# Altium PCB HTBLEBMSALL24S100A_PCB_V0.2_260323.pcbdoc (part 2 of 7)
Units mm, origin at the board's own origin, x right, y up, seen from the top; angles counter-clockwise.
Board outline 212.1 x 87.6 mm, 2 copper layers (Top Layer, Bottom Layer), stack 1.56 mm thick; 927 components, 443 nets, 2867 pads, 2632 vias.
Unrouted connection lines stored in the file: 1161.
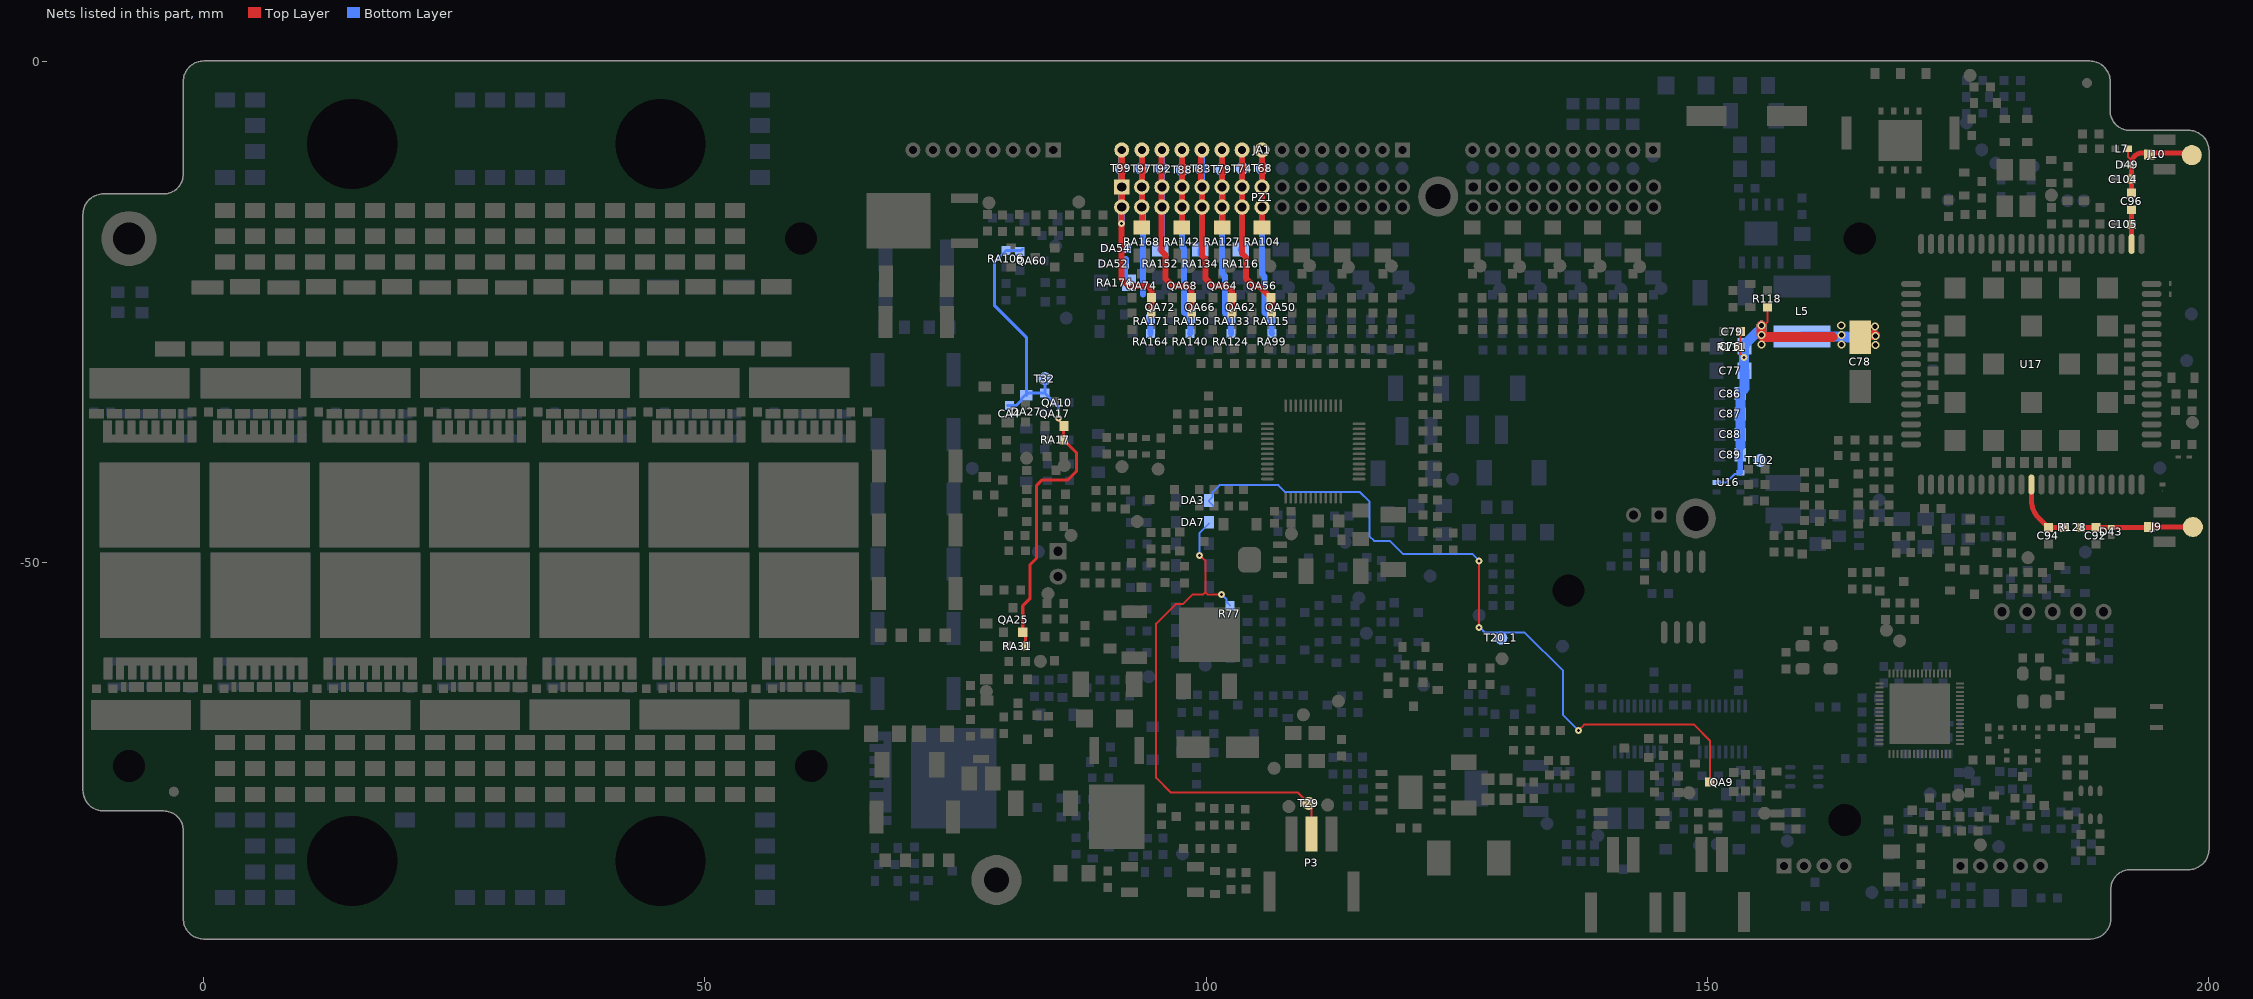
[diagram p2: the nets of this part, all layers, seen from the top]

## Components (designator, comment, footprint, x,y, rotation, side; value= is the part's Value field where it differs from the comment) (continued)
T103 "Test" PT_STM 184.326,-13.336 r90 bottom
T104 "Test" PT_STM 198.4,-36.01 r90 bottom
T105 "Test" PT_STM 198.29,-25.19 r90 top
T106 "Test" PT_STM 178.79,-10.14 r90 top
T107 "Test" PT_STM 182.5,-10.47 r90 top
T108 "Test" PT_STM 177.374,-8.815 r90 top
T109 "Test" PT_STM 175.873,-6.116 r90 top
T110 "Test" PT_STM 174.04,-13.823 r90 top
T111 "Test" PT_STM 176.21,-1.382 r90 bottom
T112 "Test" PT_STM 156.88,-46.56 r90 top
T113 "Test" PT_STM 197.82,-29.84 r90 top
T114 "Test" PT_STM 167.14,-43.75 r90 top
T115 "Test" PT_STM 187.71,-48.94 r90 top
T116 "Test" PT_STM 181.986,-49.499 r90 bottom
T117 "Test" PT_STM 187.569,-13.891 r90 top
T118 "Test" PT_STM 185.938,-13.891 r90 top
TVS1 "ESD9L5" SOD-923 197.53,-39.46 r0 top value=ESD9M5.0ST5G
TVS2 "ESD9L5" SOD-923 196.18,-22.69 r90 top value=ESD9M5.0ST5G
TVS3 "ESD56301D05" DFN1610-2L 165.109,-47.808 r270 bottom value=AZ5825-01F
TVS4 "DIO_DFN1006-2L_ESD5611N-2/TR_B_CH1" DFN1006-2(0402) 195.41,-42.514 r90 top value=AZ5825-01F
U1 "AMS1117-3.3" SOT223 133.694,-64.768 r270 bottom
U2 "SP0M18" ESOP-8 120.387,-72.904 r270 top
U3 "CA-IS2062A" LGA-16_L5.2-W4.7-P0.65-TL_CA-IS2062A-FRANK2 140.781,-68.896 r270 bottom
U4 "EL3H7" SSOP-4_L2.7-W4.6-P1.27-LS7.0-TL 142.441,-75.523 r0 top
U5 "AIP74LVC2G17GB236" SOT23-6 161.064,-70.419 r180 bottom
U6 "ZD25Q16CSIGT/W25Q16JVSSIQ" SOIC-8_L5.3-W5.3-P1.27-LS8.0-BL 147.6,-53.42 r0 top
U7 "CA-IS2092A" LGA-16_L5.2-W4.7-P0.65-TL_CA-IS2062A-FRANK2 149.229,-68.896 r270 bottom
U8 "N32WB436RFQ7" "QFN64 8x8" 171.196,-62.996 r0 top
U9 "EL3H7" SSOP-4_L2.7-W4.6-P1.27-LS7.0-TL 153.895,-75.673 r0 top
U10 "AD24C02/AT24C02M5/TR" SOT23-5 185.906,-59.812 r0 bottom
U11 "TPL5010DDCR" SOT23-6 187.276,-75.556 r90 top
U12 "DVC1124-12" LQFP48(0.5mm) 110.682,-38.904 r180 top
U13 "EL357N" EL357N 95.65,-81.626 r0 top
U14 "M2M_IC" M2M_IC 169.233,-7.882 r90 top
U15 "LYF89023" ESOP-8 155.374,-17.157 r0 bottom
U16 "SY8105IADC" TSOT-23-6 152.092,-41.993 r180 bottom
U17 "MOD_A7670C_R2_124" MOD_A7670C_R2_124 182.33,-30.199 r180 top
Y1 "8M" SMD3225_4P 160.914,-59.446 r180 top
Y2 "32M" SMD3225_4P 182.617,-62.468 r270 top
? "Comment" MARK 187.87,-2.15 r0 top
? "Comment" MARK -2.988,-72.849 r0 top
? "Comment" "HT LOGO" 77.55,-29.549 r0 top

## Footprints (in the part's own frame and the unit in brackets; to place one, negate y for a bottom-side part, rotate by r counter-clockwise, add the part's x,y. Pads: shape width x height; smd on the part's side, far side on the other; paste and mask are expansions set on the pad)
22A52V [mm]
  rect 2.4x1.55 smd: 1(0.32,1.16) 3(0.32,-1.2)
  rect 0.8x1.6 smd: 2(-1.65,0)
  silkscreen extent -2,-1.5 2,1.5
0402C [mm]
  rect 0.48x0.55 smd: 1(-0.44,-0.004) 2(0.44,-0.004)
  silkscreen extent -1.21,-0.51 1.21,0.5, body extent -0.5,-0.3 0.5,0.3, height 0.2
0402L [mil]
  rect 30x25 smd: 1(0,0) 2(50,0)
  silkscreen extent -25,-20 75,20, body extent 5,-10 45,10, height 20
0603 [mil]
  rect 35x35 smd: 1(0,0) 2(65,0)
  Top Layer pour cut-out: 15,20 50,20 50,-20 15,-20
  silkscreen extent -25,-25 90,25, body extent 0,-16 66,16, height 22
0603L-XG [mil] "小功率贴片电感"
  rect 35x35 smd: 1(0,0) 2(70,0)
  silkscreen extent -32,-32 102,32, body extent 4,-16 66,15, height 31
0805 [mil]
  rect 45x52 smd: 1(6,0) 2(86,0)
  Top Layer pour cut-out: 21,30 71,30 71,-30 21,-30
  silkscreen extent -27,-35 119,35, body extent 1,-27 91,27
1206 [mil]
  rect 55x65 smd: 1(0,0) 2(110,0)
  Top Layer pour cut-out: 25,40 85,40 85,-40 25,-40
  silkscreen extent -38,-45 148,45, body extent -11,-34 121,34, height 33
1210R [mm]
  rect 1.283x2.808 smd paste-100 mask+0.051: 1(-1.441,0) 2(1.441,0)
  silkscreen extent -2.31,-1.63 2.31,1.63, body extent -2,-1.24 2,1.25, height 1.7
2010R [mm] "1/2W 200V"
  rect 1.651x2.54 smd: 1(-2.665,0) 2(2.665,0)
  silkscreen extent -3.81,-1.65 3.81,1.65, body extent -2.5,-1.25 2.5,1.25, height 0.47
2512 [mil] "Chip Resistor; Body 250milx 120mil (LxW typ);1W"
  rect 55x125 smd: 1(0,0) 2(240,0)
  silkscreen extent -40,-75 280,75, body extent -4,-62 244,62, height 23
ANT-2 [mm]
  rect 0.5x1.3 smd: 1(0,0) 2(-2.1,0)
  Top Layer region: -2.56,-0.703 -1.634,-0.703 -1.634,4.712 -2.56,4.712 -2.56,-0.703
  Top Layer region: 9.666,4.712 9.14,4.712 9.14,1.547 9.666,1.547 9.666,4.712
  Top Layer region: 6.64,1.547 9.666,1.547 9.666,2.072 6.64,2.072 6.64,1.547
  Top Layer region: 7.166,1.547 6.64,1.547 6.64,4.712 7.166,4.712 7.166,1.547
  Top Layer region: 4.44,4.187 7.166,4.187 7.166,4.712 4.44,4.712 4.44,4.187
  Top Layer region: 4.966,4.712 4.44,4.712 4.44,1.547 4.966,1.547 4.966,4.712
  Top Layer region: 1.94,1.547 4.966,1.547 4.966,2.072 1.94,2.072 1.94,1.547
  Top Layer region: 1.94,4.712 2.466,4.712 2.466,1.547 1.94,1.547 1.94,4.712
  Top Layer region: -2.56,4.187 2.466,4.187 2.466,4.712 -2.56,4.712 -2.56,4.187
  Top Layer region: -0.26,-0.703 0.266,-0.703 0.266,4.712 -0.26,4.712 -0.26,-0.703
C0603 [mil]
  rect 35x35 smd: 1(0,0) 2(65,0)
  Top Layer pour cut-out: 15,20 50,20 50,-20 15,-20
  silkscreen extent -27,-25 92,25, body extent -7,-15 71,16, height 31
C0805 [mil]
  rect 45x52 smd: 1(0,0) 2(80,0)
  Top Layer pour cut-out: 15,30 65,30 65,-30 15,-30
  silkscreen extent -39,-35 118,35, body extent -9,-24 89,25, height 31
C1206 [mil] "Chip Capacitor"
  rect 55x65 smd: 1(0,0) 2(110,0)
  Top Layer pour cut-out: 25,40 85,40 85,-40 25,-40
  silkscreen extent -38,-43 148,43, body extent -8,-31 118,31, height 39
DFN1006-2(0402) [mm]
  round 0.082 smd: 1(-0.325,0)
  rect 0.4x0.6 smd paste+0.051: 2(0.325,0)
  Top Layer region: -0.53,0.3 -0.53,-0.3 -0.2,-0.3 -0.12,-0.2 -0.12,0.3 -0.53,0.3
  silkscreen extent -0.7,-0.45 0.7,0.45
DFN1610-2L [mm]
  rect 0.7x1 smd paste+0.051: 1(-0.6,0) 2(0.6,0)
  silkscreen extent -1.4,-0.7 1.15,0.7
EL357N [mm]
  rect 1.7x0.95 smd: 1(-3.3,1.27) 2(-3.3,-1.27) 3(3.3,-1.27) 4(3.3,1.27)
  silkscreen extent -2.2,-2.1 2.2,2.1
ESOP-8 [mm]
  rect 3.3x2.4 smd: 0(0,0)
  rect 0.6x1.2 smd: 1(-1.905,-2.908) 2(-0.635,-2.908) 3(0.635,-2.908) 4(1.905,-2.908) 5(1.905,2.908) 6(0.635,2.908) 7(-0.635,2.908) 8(-1.905,2.908)
  silkscreen extent -3.2,-2.67 2.55,2.05
F0603 [mil] "1060mil"
  rect 35x35 smd: 1(0,0) 2(65,0)
  Top Layer pour cut-out: 15,20 50,20 50,-20 15,-20
  silkscreen extent -25,-25 90,25, body extent 4,-15 66,15, height 30
F1206 [mil] "1060mil"
  rect 60x70 smd: 1(-55,0) 2(55,0)
  Top Layer pour cut-out: -30,40 30,40 30,-40 -30,-40
  silkscreen extent -95,-45 95,45, body extent -63,-33 63,33, height 22
HDR1X2 [mm] "Connector; Header; 2 Position"
  rect 1.5x1.5 hole 0.9: 1(0,0)
  round 1.5 hole 0.9: 2(2.54,0)
  silkscreen extent -1.27,-1.27 3.81,1.27
HP1005H15 [mm]
  rect 0.65x0.5 smd: 1(0,0.45) 2(0,-0.45)
  silkscreen extent -0.64,-0.92 0.64,0.93
"HT LOGO" [mm]
  silkscreen extent -3.31,-2.97 2.96,2.65
IND-SMD_L7.3-W6.8 [mm]
  rect 2.35x3.5 smd: 1(-3,0) 2(3,0)
  silkscreen extent -3.5,-3.3 3.5,3.3
IPEX-SMD_BWIPX-1-001E [mm]
  rect 1.05x1 smd: 1(-0.763,0)
  rect 2.2x1.05 smd: 2(0.762,-1.475) 3(0.762,1.475)
  silkscreen extent -0.64,-1.27 2.16,1.27
L4*4 [mm]
  rect 1.6x3.5 smd paste+0.051: 1(-1.6,0) 2(1.6,0)
  silkscreen extent -2.08,-2.1 2.08,2.1
L6*6 [mm]
  rect 2.2x5.72 smd paste+0.051: 1(-2.5,0) 2(2.5,0)
  silkscreen extent -3.18,-3.18 3.18,3.18
LED0603R [mil]
  rect 35x35 smd: 1(0,0) 2(60,0)
  Top Layer pour cut-out: 15,20 45,20 45,-20 15,-20
  silkscreen extent -25,-25 90,25, body extent -3,-18 63,18, height 35
LGA-16_L5.2-W4.7-P0.65-TL_CA-IS2062A-FRANK2 [mm]
  rect 1.3x0.364 smd: 1(-4.611,0.011) 2(-4.611,-0.65) 3(-4.611,-1.3) 4(-4.611,-1.95) 5(-4.611,-2.6) 6(-4.611,-3.25) 7(-4.611,-3.9) 8(-4.611,-4.55) 9(0,-4.55) 10(0,-3.9) 11(0,-3.25) 12(0,-2.6) 13(0,-1.95) 14(0,-1.3) 15(0,-0.65) 16(-0.005,0)
  silkscreen extent -5.22,-4.95 0.08,0.62, body extent -4.67,-4.97 0.09,0.43, height 1
LQFP48(0.5mm) [mil] "7x7x1.4, P2P=0.5mm"
  oct 50x10 smd: 1(-180,108.27)
  oval 50x10 smd: 2(-180,88.58) 3(-180,68.9) 4(-180,49.21) 5(-180,29.53) 6(-180,9.84) 7(-180,-9.84) 8(-180,-29.53) 9(-180,-49.21) 10(-180,-68.9) 11(-180,-88.58) 12(-180,-108.27) 25(180,-108.27) 26(180,-88.58) 27(180,-68.9) 28(180,-49.21) 29(180,-29.53) 30(180,-9.84) 31(180,9.84) 32(180,29.53) 33(180,49.21) 34(180,68.9) 35(180,88.58) 36(180,108.27)
  oval 10x50 smd: 13(-108.27,-180) 14(-88.58,-180) 15(-68.9,-180) 16(-49.21,-180) 17(-29.53,-180) 18(-9.84,-180) 19(9.84,-180) 20(29.53,-180) 21(49.21,-180) 22(68.9,-180) 23(88.58,-180) 24(108.27,-180) 37(108.27,180) 38(88.58,180) 39(68.9,180) 40(49.21,180) 41(29.53,180) 42(9.84,180) 43(-9.84,180) 44(-29.53,180) 45(-49.21,180) 46(-68.9,180) 47(-88.58,180) 48(-108.27,180)
  silkscreen extent -180,-180 180,180, body extent -177,-177 177,177, height 59
M2M_IC [mm]
  rect 0.7x0.5 smd: 1(-2.95,1.905) 2(-2.95,0.635) 3(-2.95,-0.635) 4(-2.95,-1.905) 5(2.95,-1.905) 6(2.95,-0.635) 7(2.95,0.635) 8(2.95,1.905)
  rect 4.1x4.35 smd: 9(0,0)
  silkscreen extent -3.45,-2.65 3.45,2.65
MARK [mm]
  round 1 smd mask+0.9: 1(0,0)
  round 1 smd far side mask+0.9: 1(0,0)
  Top Layer lines w0.3: -1.565,0 ccw(c0,0) 1.565,0 ccw(c0,0) -1.565,0
  Bottom Layer lines w0.3: -1.565,0 ccw(c0,0) 1.565,0 ccw(c0,0) -1.565,0
  silkscreen extent -1.56,-1.56 1.57,1.56
MOD_A7670C_R2_124 [mm]
  rrect100% 2x0.6 smd paste-0.05 mask+0.025: 1(-12,8) 2(-12,7) 3(-12,6) 4(-12,5) 5(-12,4) 6(-12,3) 7(-12,2) 8(-12,1) 9(-12,0) 10(-12,-1) 11(-12,-2) 12(-12,-3) 13(-12,-4) 14(-12,-5) 15(-12,-6) 16(-12,-7) 17(-12,-8) 35(12,-8) 36(12,-7) 37(12,-6) 38(12,-5) 39(12,-4) 40(12,-3) 41(12,-2) 42(12,-1) 43(12,0) 44(12,1) 45(12,2) 46(12,3) 47(12,4) 48(12,5) 49(12,6) 50(12,7) 51(12,8)
  rrect100% 0.6x2 smd paste-0.05 mask+0.025: 18(-8,-12) 19(-7,-12) 20(-6,-12) 21(-5,-12) 22(-4,-12) 23(-3,-12) 24(-2,-12) 25(-1,-12) 26(0,-12) 27(1,-12) 28(2,-12) 29(3,-12) 30(4,-12) 31(5,-12) 32(6,-12) 33(7,-12) 34(8,-12) 52(8,12) 53(7,12) 54(6,12) 55(5,12) 56(4,12) 57(3,12) 58(2,12) 59(1,12) 60(0,12) 61(-1,12) 62(-2,12) 63(-3,12) 64(-4,12) 65(-5,12) 66(-6,12) 67(-7,12) 68(-8,12) 89(-11,-12) 90(-10,-12) 91(-9,-12) 92(9,-12) 93(10,-12) 94(11,-12) 95(11,12) 96(10,12) 97(9,12) 98(-9,12) 99(-10,12) 100(-11,12)
  rect 2.1x2.1 smd mask+0.025: 69(-7.6,7.6) 70(-7.6,3.8) 71(-7.6,0) 72(-7.6,-3.8) 73(-7.6,-7.6) 74(-3.8,-7.6) 75(0,-7.6) 76(3.8,-7.6) 77(7.6,-7.6) 78(7.6,-3.8) 79(7.6,0) 80(7.6,3.8) 81(7.6,7.6) 82(3.8,7.6) 83(0,7.6) 84(-3.8,7.6) 85(-3.8,0) 86(0,-3.8) 87(3.8,0) 88(0,3.8)
  rect 1.1x0.9 smd mask+0.03: 101(-9.8,3.5) 102(-9.8,2.1) 103(-9.8,0.7) 104(-9.8,-0.7) 105(-9.8,-2.1) 106(-9.8,-3.5) 113(9.8,-3.5) 114(9.8,-2.1) 115(9.8,-0.7) 116(9.8,0.7) 117(9.8,2.1) 118(9.8,3.5)
  rect 0.9x1.1 smd mask+0.03: 107(-3.5,-9.8) 108(-2.1,-9.8) 109(-0.7,-9.8) 110(0.7,-9.8) 111(2.1,-9.8) 112(3.5,-9.8) 119(3.5,9.8) 120(2.1,9.8) 121(0.7,9.8) 122(-0.7,9.8) 123(-2.1,9.8) 124(-3.5,9.8)
  Top Layer keep-out region: -10.9,9.2 -8.85,9.2 -8.85,6.8 -10.9,6.8 -10.9,9.2
  Top Layer keep-out region: 1.475,-2.075 3.525,-2.075 3.525,-4.125 1.475,-4.125 1.475,-2.075
  silkscreen extent -14.5,-12 12,12
PCB-276M5 [mil]
  round 1 smd: 1(-0.2,0)
  round 1 on Top Paste: 1(-0.2,0)
  round 60 hole 354.33: ""(0,0)
  Top Layer region: 574.8,198.82 581.35,197.52 586.9,193.81 586.9,193.81 589.37,191.34 591.7,187.85 592.52,183.73 592.52,183.73 592.52,117.08 591.19,110.39 587.4,104.72 587.4,104.72 586.67,103.99 580.5,99.87 573.23,98.43 573.23,98.43 532.28,98.43 494.02,90.81 461.57,69.14 439.9,36.69 432.28,-1.57 432.28,-1.57 432.28,-3.54 438.94,-37.01 457.9,-65.38 457.9,-65.38 466.61,-74.09 493.13,-91.81 524.41,-98.03 524.41,-98.03 571.24,-98.03 579.99,-99.77 587.4,-104.72 587.4,-104.72 591.19,-110.39 592.52,-117.08 592.52,-117.08 592.52,-181.1 591.36,-186.92 588.07,-191.86 588.07,-191.86 584.25,-195.67 580.76,-198 576.65,-198.82 576.65,-198.82 -569.57,-198.82 -579.86,-196.77 -588.58,-190.94 -588.58,-190.94 -591.79,-186.15 -592.91,-180.49 -592.91,-180.49 -592.91,-117.47 -591.58,-110.79 -587.8,-105.12 -587.8,-105.12 -580.82,-100.46 -572.59,-98.82 -572.59,-98.82 -532.37,-98.82 -494.1,-91.21 -461.66,-69.53 -461.66,-69.53 -461.02,-68.9 -440.63,-38.37 -433.46,-2.36 -433.46,-2.36 -433.46,9.53 -439.09,37.83 -455.12,61.81 -455.12,61.81 -462.84,69.53 -495.28,91.21 -533.55,98.82 -533.55,98.82 -574.42,98.82 -580.59,100.05 -585.83,103.54 -585.83,103.54 -587.79,105.5 -591.29,110.75 -592.52,116.93 -592.52,116.93 -592.52,176.82 -590.58,186.6 -585.04,194.88 -585.04,194.88 -580.68,197.8 -575.53,198.82 -575.53,198.82
  silkscreen extent -593,-199 593,199, body extent -593,-199 593,199, height 79
PH2.0-10*2 [mil]
  rect 60x60 hole 36: 1(-354.33,39.37)
  round 60 hole 36: 2(-354.33,-39.37) 3(-275.59,39.37) 4(-275.59,-39.37) 5(-196.85,39.37) 6(-196.85,-39.37) 7(-118.11,39.37) 8(-118.11,-39.37) 9(-39.37,39.37) 10(-39.37,-39.37) 11(39.37,39.37) 12(39.37,-39.37) 13(118.11,39.37) 14(118.11,-39.37) 15(196.85,39.37) 16(196.85,-39.37) 17(275.59,39.37) 18(275.59,-39.37) 19(354.33,39.37) 20(354.33,-39.37)
  silkscreen extent -394,-80 394,82
PH2.0-15*2 [mil]
  rect 60x60 hole 36: 1(-551.18,39.37)
  round 60 hole 36: 2(-551.18,-39.37) 3(-472.44,39.37) 4(-472.44,-39.37) 5(-393.7,39.37) 6(-393.7,-39.37) 7(-314.96,39.37) 8(-314.96,-39.37) 9(-236.22,39.37) 10(-236.22,-39.37) 11(-157.48,39.37) 12(-157.48,-39.37) 13(-78.74,39.37) 14(-78.74,-39.37) 15(0,39.37) 16(0,-39.37) 17(78.74,39.37) 18(78.74,-39.37) 19(157.48,39.37) 20(157.48,-39.37) 21(236.22,39.37) 22(236.22,-39.37) 23(314.96,39.37) 24(314.96,-39.37) 25(393.7,39.37) 26(393.7,-39.37) 27(472.44,39.37) 28(472.44,-39.37) 29(551.18,39.37) 30(551.18,-39.37)
  silkscreen extent -591,-80 591,82
PH2.0-WI-4P [mm] "长：9.9mm，宽：6mm，高：4.7mm"
  rect 1.5x1.5 hole 0.8: 1(-3,0)
  round 1.5 hole 0.8: 2(-1,0) 3(1,0) 4(3,0)
  silkscreen extent -4.95,-6.3 4.95,-0.3, body extent -4.95,-6.3 4.95,0.3, height 4.75
PH2.0-WI-5P [mm] "长：11.9mm，宽：6mm，高：4.7mm"
  rect 1.5x1.5 hole 0.8: 1(-4,0)
  round 1.5 hole 0.8: 2(-2,0) 3(0,0) 4(2,0) 5(4,0)
  silkscreen extent -5.95,-6.3 5.95,-0.3, body extent -5.95,-6.3 5.95,0.3, height 4.75
PH2.0-WI-8P [mm] "长：17.9mm，宽：6mm，高：4.7mm"
  rect 1.5x1.5 hole 0.8: 1(-7,0)
  round 1.5 hole 0.8: 2(-5,0) 3(-3,0) 4(-1,0) 5(1,0) 6(3,0) 7(5,0) 8(7,0)
  silkscreen extent -8.95,-8.2 8.95,1.36, body extent -8.95,-6.3 8.95,0.3, height 4.75
PH2.0-WI-10P [mm] "长：21.9mm，宽：6mm，高：4.7mm"
  rect 1.5x1.5 hole 0.8: 1(-9,0)
  round 1.5 hole 0.8: 2(-7,0) 3(-5,0) 4(-3,0) 5(-1,0) 6(1,0) 7(3,0) 8(5,0) 9(7,0) 10(9,0)
  silkscreen extent -10.95,-8.2 10.95,1.36, body extent -10.95,-6.3 10.95,0.3, height 4.75
PH2.0-WI-15P [mm] "长：31.9mm，宽：6mm，高：4.7mm"
  rect 1.5x1.5 hole 0.8: 1(-14,0)
  round 1.5 hole 0.8: 2(-12,0) 3(-10,0) 4(-8,0) 5(-6,0) 6(-4,0) 7(-2,0) 8(0,0) 9(2,0) 10(4,0) 11(6,0) 12(8,0) 13(10,0) 14(12,0) 15(14,0)
  silkscreen extent -15.95,-8.2 15.95,1.36, body extent -15.95,-6.3 15.95,0.3, height 4.75
PH2.0-WS-2P [mm] "长：8mm，宽：7.6mm，高：5.5mm"
  rect 1.2x4 smd: 0(-3.2,-0.006) 0(3.2,-0.006)
  rect 1.2x3.5 smd: 1(-1,5.744) 2(1,5.744)
  silkscreen extent -4.1,-1.78 4.1,6.22, body extent -4,-1.65 4,6.95, height 5.55
PH2.0-WS-3P [mm] "长：10mm，宽：7.6mm，高：5.5mm"
  rect 1.2x4 smd: 0(-4.2,-0.006) 0(4.2,-0.006)
  rect 1.2x3.5 smd: 1(-2,5.744) 2(0,5.744) 3(2,5.744)
  silkscreen extent -5.1,-1.78 5.1,6.22, body extent -5,-1.65 5,6.95, height 5.55
"Pin HDR1X2/2.54mm-S" [mm]
  rect 1.7x1.6 hole 0.9: 1(0,0)
  oval 1.7x1.6 hole 0.9: 2(0,-2.54)
  silkscreen extent -1.27,-3.81 1.27,1.27, body extent -1.27,-3.81 1.27,1.27, height 8.54
"Pin HDR1X5/2.54mm-S" [mm]
  round 1.6 hole 0.9: 1(0,0)
  oval 1.7x1.6 hole 0.9: 2(0,-2.54) 3(0,-5.08) 4(0,-7.62) 5(0,-10.16)
  silkscreen extent -1.27,-11.43 1.27,1.27, body extent -1.27,-11.43 1.27,1.27, height 8.54
PT_STM [mm] "测试点1.3mm"
  round 1.3 smd far side: 1(0,0)
"QFN64 8x8" [mm]
  rect 0.8x0.2 smd paste-100 mask+0.051: 1(-4.002,0.919) 2(-4.002,0.519) 3(-4.002,0.119) 4(-4.002,-0.281) 5(-4.002,-0.681) 6(-4.002,-1.081) 7(-4.002,-1.481) 8(-4.002,-1.881) 9(-4.002,-2.281) 10(-4.002,-2.681) 11(-4.002,-3.081) 12(-4.002,-3.481) 13(-4.002,-3.881) 14(-4.002,-4.281) 15(-4.002,-4.681) 16(-4.002,-5.081) 33(3.998,-5.081) 34(3.998,-4.681) 35(3.998,-4.281) 36(3.998,-3.881) 37(3.998,-3.481) 38(3.998,-3.081) 39(3.998,-2.681) 40(3.998,-2.281) 41(3.998,-1.881) 42(3.998,-1.481) 43(3.998,-1.081) 44(3.998,-0.681) 45(3.998,-0.281) 46(3.998,0.119) 47(3.998,0.519) 48(3.998,0.919)
  rect 0.2x0.8 smd paste-100 mask+0.051: 17(-3.002,-6.081) 18(-2.602,-6.081) 19(-2.202,-6.081) 20(-1.802,-6.081) 21(-1.402,-6.081) 22(-1.002,-6.081) 23(-0.602,-6.081) 24(-0.202,-6.081) 25(0.198,-6.081) 26(0.598,-6.081) 27(0.998,-6.081) 28(1.398,-6.081) 29(1.798,-6.081) 30(2.198,-6.081) 31(2.598,-6.081) 32(2.998,-6.081) 49(2.998,1.919) 50(2.598,1.919) 51(2.198,1.919) 52(1.798,1.919) 53(1.398,1.919) 54(0.998,1.919) 55(0.598,1.919) 56(0.198,1.919) 57(-0.202,1.919) 58(-0.602,1.919) 59(-1.002,1.919) 60(-1.402,1.919) 61(-1.802,1.919) 62(-2.202,1.919) 63(-2.602,1.919) 64(-3.002,1.919)
  rect 6x6 smd paste-100 mask+0.051: 65(-0.002,-2.081)
  silkscreen extent -4.78,-6.16 4.07,2
SIM6P [mm]
  rect 0.9x1.1 smd paste+0.051: C1(2.53,-5.975) C2(0,-5.975) C3(-2.53,-5.975) C5(2.53,5.975) C6(0,5.975) RM(-2.53,5.975)
  rect 1x3.29 smd paste+0.051: C4(-5.385,-0.005) C8(5.385,-0.005)
  Keep-Out Layer circle w0.003: c4.67,4.145 r0.375
  Keep-Out Layer circle w0.003: c-4.33,-4.155 r0.475
  Keep-Out Layer region: 5.045,4.145 5.008,3.982 4.904,3.852 4.753,3.779 4.587,3.779 4.436,3.852 4.332,3.982 4.295,4.145 4.295,4.145 4.332,4.308 4.436,4.438 4.587,4.511 4.753,4.511 4.904,4.438 5.008,4.308 5.045,4.145
  Keep-Out Layer region: 5.045,4.145 5.008,3.982 4.904,3.852 4.753,3.779 4.587,3.779 4.436,3.852 4.332,3.982 4.295,4.145 4.295,4.145 4.332,4.308 4.436,4.438 4.587,4.511 4.753,4.511 4.904,4.438 5.008,4.308 5.045,4.145
  Keep-Out Layer region: -3.855,-4.155 -3.902,-4.361 -4.034,-4.526 -4.224,-4.618 -4.436,-4.618 -4.626,-4.526 -4.758,-4.361 -4.805,-4.155 -4.805,-4.155 -4.758,-3.949 -4.626,-3.784 -4.436,-3.692 -4.224,-3.692 -4.034,-3.784 -3.902,-3.949 -3.855,-4.155
  Keep-Out Layer region: -3.855,-4.155 -3.902,-4.361 -4.034,-4.526 -4.224,-4.618 -4.436,-4.618 -4.626,-4.526 -4.758,-4.361 -4.805,-4.155 -4.805,-4.155 -4.758,-3.949 -4.626,-3.784 -4.436,-3.692 -4.224,-3.692 -4.034,-3.784 -3.902,-3.949 -3.855,-4.155
  silkscreen extent -5.03,-6.23 5.13,6.22
SMA/DO-214AC [mil] "=2010"
  rect 60x100 smd: 1(0,0) 2(-180,0)
  silkscreen extent -235,-61 41,61, body extent -198,-55 18,55, height 90